# Altium PCB TS_24 UCM R1.PcbDoc (continued)
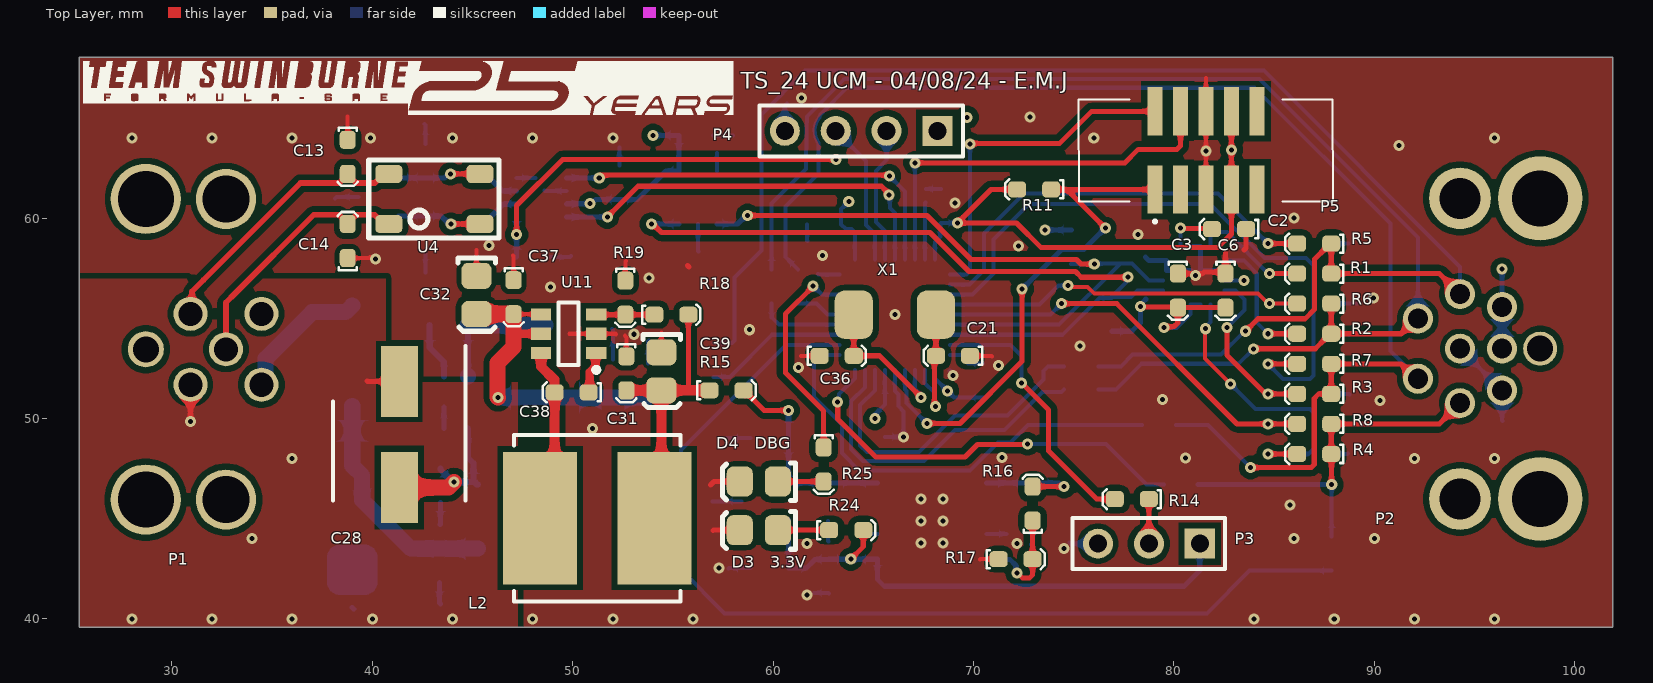
[diagram p0: Top Layer view]
## Part data
C1 C2 C3 C4 C5 C6 C7 C17 C18 C19 C20 C22 C25 C26 C27 C31 C35 C37 C38 C40 C41: library part GCM188L81H104KA57D, Digikey Part Number=490-6049-1-ND, Manufacturer=muRata, Rated Voltage=50V, Temperature Rating=X8L, Tolerance=±10%, Material=MLCC, Part Number=GCM188L81H104KA57D
C8 C9 C10 C11: library part GCM188L81H103KA03D, Digikey Part Number=490-GCM188L81H103KA03DCT-ND, Manufacturer=muRata, Rated Voltage=50V, Temperature Rating=X8L, Tolerance=±10%, Material=MLCC, Part Number=GCM188L81H103KA03D
C13 C14 C15 C16: library part GRM1885C1H101JA01D, Digikey Part Number=490-1427-1-ND, Manufacturer="Murata Electronics", Rated Voltage=50V, Temperature Rating="C0G, NP0", Tolerance=±5%, Material=MLCC, Part Number=GRM1885C1H101JA01D
C21 C36: library part GRM0335C1H220JA01D, Digikey Part Number=490-6123-1-ND, Manufacturer="Murata Electronics", Rated Voltage=50V, Temperature Rating="C0G, NP0", Tolerance=±5%, Material=MLCC, Part Number=GRM0335C1H220JA01D
C23 C24 C30 C32 C34 C39: library part GRM21BR6YA106KE43L, Digikey Part Number=490-10514-6-ND, Manufacturer=muRata, Rated Voltage=50V, Temperature Rating=X5R, Tolerance=10%, Material=MLCC, Part Number=GRM21BR6YA106KE43L
C28: library part HHXA350ARA470MF61G, Part Number=HHXA350ARA470MF61G
C29 C33: library part GCM21BR71H105KA03L, Digikey Part Number=490-10675-1-ND, Manufacturer=muRata, Rated Voltage=50V, Temperature Rating=X7R, Tolerance=±10%, Material=MLCC, Part Number=GCM21BR71H105KA03L
D1: Breakdown Voltage="100 V", Digikey Part Number=1727-PMEG100T10ELR-QXCT-ND, Forward Voltage="0.75 V @ 1A", Manufacturer="Nexperia USA Inc.", Rated Power="680 mW", Part Number=PMEG100T10ELR-QX
D2: Breakdown Voltage="30.8 V", Digikey Part Number=497-10804-1-ND, Manufacturer=STMicroelectronics, Rated Power=600W, Forward Voltage="30.8 V", Part Number=SM6T36CAY
D3: library part SML-210LTT86, "Red LED Indication - Discrete 1.75V 0805 (2012 Metric)", Digikey Part Number=511-1286-1-ND, Manufacturer="ROHM Semiconductor", Colour=Red, Part Number=SML-210LTT86
D4: library part SML-211YTT86, "Yellow LED Indication - Discrete 1.75V 0805 (2012 Metric)", Digikey Part Number=511-1293-1-ND, Manufacturer="ROHM Semiconductor", Colour=Yellow, Part Number=SML-211YTT86
F1: "PTC RESET FUSE 60V 200MA 1812", Digikey Part Number=507-1757-1-ND, Manufacturer="Bel Fuse Inc.", Part Number=0ZCG0020AF2C
L1: library part RLS-126, Digikey Part Number=945-3429-ND, Manufacturer=Recom, Rated Current="0.8 A", Tolerance=0.2, Impedance=230mOhm, Material=Wirewound, Part Number=RLS-126
L2: library part SRN8040TA-470M, Digikey Part Number=SRN8040TA-470MCT-ND, Manufacturer=Bourns, Rated Current=2A, Tolerance=0.2, Impedance=135mOhms, Material=Wirewound, Part Number=SRN8040TA-470M
P1: library part 43-01203, "M12 NMEA 2000 Header", Digikey Part Number=626-1511-ND, Angle=90, Contact=Gold, Flange=Yes, Part Number=43-01203, Positions=5
P2: "M12, 8 Pin Connector", Angle=90, Contact="Copper Alloy", Flange=Yes, Part Number=43-02639, Positions=8
P3: library part "TH 2.54mm Header 1x3", Angle=0, Contact=NA, Flange=No, Part Number="TH 2.54mm Header 1x3", Pitch=2.54mm, Positions=3, Row Spacing=2.54mm
P4: library part "TH 2.54mm Header 1x4", Angle=0, Contact=NA, Flange=No, Part Number="TH 2.54mm Header 1x4", Pitch=2.54mm, Positions=4, Row Spacing=2.54mm
P5: library part "SMD 1.27mm Header 2x5 (3221-10-0300-00)", Angle=0, Contact=NA, Flange=No, Part Number="SMD 1.27mm Header 2x5 (3221-10-0300-00)", Pitch=1.27mm, Positions=10, Row Spacing=1.27mm
R1 R2 R3 R4: library part RC0603FR-07510RL, Digikey Part Number=311-510HRCT-ND, Manufacturer=YAGEO, Rated Power=0.1W, Tolerance=0.01, Material=FR-07, Part Number=RC0603FR-07510RL
R5 R6 R7 R8 R11 R14 R16 R19 R20 R21 R22 R23: library part RC0603FR-0710KL, Digikey Part Number=311-10.0KHRCT-ND, Manufacturer=YAGEO, Rated Power=0.1W, Tolerance=0.01, Material=FR-07, Part Number=RC0603FR-0710KL
R9 R10 R24 R25 R26 R27: library part RC0603FR-071KL, Digikey Part Number=311-1.00KHRCT-ND, Manufacturer=YAGEO, Rated Power=0.1W, Tolerance=0.01, Material=FR-07, Part Number=RC0603FR-071KL
R12 R13: library part RC0603FR-072KL, Digikey Part Number=311-2.00KHRCT-ND, Manufacturer=YAGEO, Rated Power=0.1W, Tolerance=0.01, Material=FR-07, Part Number=RC0603FR-072KL
R15: library part RC0603JR-070RL, Digikey Part Number=311-0.0GRCT-ND, Manufacturer=YAGEO, Rated Power=0.1W, Tolerance=0.01, Material=FR-07, Part Number=RC0603JR-070RL
R17: library part RC0603FR-0720KL, Digikey Part Number=311-20.0KHRCT-ND, Manufacturer=YAGEO, Rated Power=0.1W, Tolerance=0.01, Material=FR-07, Part Number=RC0603FR-0720KL
R18: library part RC0603JR-0751KL, Digikey Part Number=311-51KGRCT-ND, Manufacturer=YAGEO, Rated Power=0.1W, Tolerance=0.01, Material=FR-07, Part Number=RC0603JR-0751KL
U1: "IC ADC 24BIT SIGMA-DELTA 16WQFN", Digikey Part Number=296-50886-1-ND, Manufacturer="Texas Instruments", Complex IC=1, Digikey Link=https://www.digikey.com.au/en/products/detail/texas-instruments/ADS122C04IRTER/9665929, Part Number=ADS122C04IRTER
U3: "IC TRANSCEIVER HALF 1/1 TSOT23-8", Digikey Part Number=296-TCAN1044AVDDFRQ1CT-ND, Manufacturer="Texas Instruments", Complex IC=0, Part Number=TCAN1044AVDDFRQ1
U4: Digikey Part Number=495-4598-1-ND, Manufacturer="EPCOS (TDK)", Rated Current=150mA, Impedance="5.8 kOhms @ 10MHz", Material=Wirewound, Part Number=B82787C0104H002
U5: "Dual Line CAN Bus Protector", Digikey Part Number=NUP2105LT1GOSCT-ND, Manufacturer="ON Semiconductor", Digikey Link=https://www.digikey.com/product-detail/en/on-semiconductor/NUP2105LT1G/NUP2105LT1GOSCT-ND/1485001, Part Number=NUP2105L
U6: "ARM® Cortex®-M3 STM32F1 Microcontroller IC 32-Bit 72MHz 64KB (64K x 8) FLASH QFN", Manufacturer="ST Microelectronics", Complex IC=1, Digikey Link=https://www.digikey.com/en/products/detail/stmicroelectronics/stm32f103t8u6/1852493, Digikey Part Number=STM32F103T8U6, Part Number=STM32F103T8U6
U7: "IC EEPROM 16KBIT I2C SOT23-5", Digikey Part Number=150-24FC16T-E/OTCT-ND, Manufacturer="Microchip Technology", Complex IC=0, Part Number=24FC16T-E/OT
U8: Digikey Part Number=445-8637-1-ND, Manufacturer="TDK Corporation", Rated Current="1.5 A", Tolerance=0.25, Impedance="1 kOhms @ 100MHz", Material=Wirewound, Part Number=ACP3225-102-2P-T000
U9: "IC REG LIN POS ADJ 300MA 8SO", Digikey Part Number=296-43781-1-ND, Input Voltage=40V, Manufacturer="Texas Instruments", Output Current="300 mA", Output Voltage=Variable, Part Number=TPS7B4253-Q1
U10: library part AP7375-33SA-7, "IC REG LIN 3.3V 300MA SOT23-3", Digikey Part Number=31-AP7375-33SA-7CT-ND, Input Voltage="3V - 45V", Manufacturer="Diodes Incorporated", Output Current="300 mA", Output Voltage="3.3 V", Part Number=AP7375-33SA-7
U11: "IC REG BUCK ADJ 1A SOT23-6", Digikey Part Number=296-LMR50410YQDBVRQ1CT-ND, Input Voltage="4V to 36V", Manufacturer="Texas Instruments", Output Current="1.0 A", Output Voltage=Variable, Part Number=LMR50410YQDBVRQ1
X1: library part ECS-80-18-30-JGN-TR, Digikey Part Number=XC2103CT-ND, Load Capacitance=18pF, Manufacturer="ECS Inc", Digikey Link=https://www.digikey.com/en/products/detail/ecs-inc/ECS-80-18-30-JGN-TR/5875530, ESR=100R, Part Number=ECS-80-18-30-JGN-TR

## Via types
v1: diameter 0.55, hole 0.25, Top Layer to Bottom Layer, 128 vias

## Nets (pads, with @x,y where several pads share a name; then routed paths per layer and width w, separated by ;. In a path a pad name is that pad's centre, name@x,y a point inside that pad or via, vN(x,y) a via of type N, cw(c..) or ccw(c..) an arc to the next point about the centre after c; other vN are vias at no path point)
3.3V: C17.2 C18.2 C19.2 C20.2 C30.2 C35.2 C41.2 P3.1 P4.1 P5.7 P5.8 R11.2 R24.2 U3.5 U6.1 U6.6 U6.19 U6.27 U9.5 U10.2 | length 86.4
  Top Layer w0.254: v1(47.2,59.175) 47.2,60.625 49.5,62.925 v1(63.15,62.925) ; v1(63.875,42.975) 64.5,43.6 R24.2 ; v1(69.196,59.75) v1@69.2,59.75 ; R11.2 70.875,61.425 v1@69.2,59.75 ; P5.8 v1(82.87,63.4) 82.87,59.202 82.187,58.519 73.381,58.519 72.15,59.75 v1@69.2,59.75
  Int1 (PWR) w0.254: P4.1 69.425,64.35 69.675,64.6 v1(69.675,65.025)
  Bottom Layer w0.2: v1(63.775,60.825) 63.4,60.45 C20.2 63.628,59.447 63.917,59.447 64.075,59.289 U6.19 ; v1(65.082,49.993) 65.139,50.049 65.139,50.249 65.575,50.685 U6.6 ; U6.1 68.075,52.004 68.236,51.843 68.236,51.839 v1(68.7,51.375) 69.039,51.036 C18.2@70.461,51.036 ; U6.27 68.075,58.8 68.343,59.068 68.343,59.718 C19.2 v1(69.196,59.75)
  Bottom Layer w0.254: C41.2 v1(47.2,59.175) U3.5 ; U10.2 C30.2 61.655,42.526 62.093,42.965 C35.2@62.8,42.965 ; C35.2@62.802,42.972 C35.2 v1(63.875,42.975) 63.877,42.972 65.198,42.972 U9.5 65.2,41.975 65.55,41.625 80.5,41.625 81.29,42.415 P3.1
5V: C2.2 C3.2 C6.2 C22.2 C34.2 C40.2 P2.4 P2.5 R12.2 R13.2 R16.2 U1.1 U1.7 U1.10 U1.11 U3.3 U7.4 U9.1 | length 34.9
  Top Layer w0.254: R16.2 v1(74.525,46.6) ; v1(78.325,55.596) 78.359,55.562 80.163,55.562 C3.2 ; v1(79.5,54.525) 79.557,54.582 80.007,54.582 80.2,54.775 C3.2 ; v1@80.364,59.504 80.391,59.477 81.873,59.477 C2.2 ; C6.2@82.538,55.562 82.519,55.544 80.219,55.544 C3.2
  Bottom Layer w0.2: v1(79.5,54.525) 79.525,54.5 80.125,54.5 80.825,55.2 U1.11 U1.10 ; U1.1 v1(80.325,59.504) ; U1.7 v1(83.504,56.875)
  Bottom Layer w0.254: U3.3 49.712,60.712 50.862,60.712 v1(50.875,60.725) 50.955,60.725 51.155,60.925 C40.2 53.225,60.925 54.65,62.35 U7.4 C22.2 v1(54.012,64.125) ; U9.1 C34.2 74.251,46.78 74.431,46.6 v1(74.525,46.6) ; v1(73.575,59.4) R13.2 ; R12.2 77.9,54.35 78.325,54.775 78.325,55.674 78.596,55.945 ; P2.5 P2.4 v1(96.375,57.45)
AIN-0: C7.2 R4.2 U1.9 | length 15
  Top Layer w0.2: v1(81.575,54.475) 81.55,54.45 81.55,53 v1(82.825,51.725)
  Top Layer w0.254: v1(84.7,48.225) R4.2
  Bottom Layer w0.2: v1(81.575,54.475) 81.575,54.57 81.825,54.82 U1.9 ; v1(82.825,51.725) 84.075,50.475 86.8,50.475 87,50.275 87,48.499 86.726,48.225 C7.2 v1(84.7,48.225)
AIN-1: C5.2 R3.2 U1.8 | length 10.1
  Top Layer w0.254: v1(82.65,54.546) 82.65,53.157 84.525,51.282 84.643,51.282 v1(84.7,51.225) R3.2
  Bottom Layer w0.2: U1.8 82.527,56.373 83.078,56.373 83.525,55.926 83.525,55.421 v1(82.65,54.546) ; v1(84.7,51.225) C5.2
AIN-2: C4.2 R2.2 U1.5 | length 8
  Top Layer w0.254: v1(84.7,54.225) R2.2
  Bottom Layer w0.2: U1.5 83.494,57.875 84.133,57.236 84.133,54.792 v1(84.7,54.225) C4.2
AIN-3: C1.2 R1.2 U1.4 | length 7.2
  Top Layer w0.254: v1(84.762,57.225) R1.2
  Bottom Layer w0.2: U1.4 81.825,59.183 81.942,59.3 82.639,59.3 84.7,57.239 84.7,57.225 C1.2
BOOT0: P3.2 R14.1 | length 2.2
  Top Layer w0.254: P3.2 R14.1
CAN2_N: C14.2 P1.5 U4.2 | length 12.8
  Top Layer w0.285: P1.5 32.7,55.783 33.164,56.248 37.074,60.157 38.351,60.157 C14.2@38.775,59.733 ; C14.2 C14.2@38.775,59.733 ; U4.2 40.583,59.7 40.126,60.157 39.199,60.157 C14.2@38.775,59.733
CAN2_P: C13.2 P1.4 U4.1 | length 13.8
  Top Layer w0.285: P1.4 31.006,55.296 31.006,56.331 31.579,56.904 36.417,61.742 38.351,61.742 38.575,61.967 C13.2 ; C13.2@38.775,62.167 39.199,61.742 40.126,61.742 40.583,62.2 U4.1
GLV+: F1.1 P1.2 | length 6.8
  Bottom Layer w0.8: P1.2 34.681,51.891 34.681,52.981 37,55.3 38.675,55.3 F1.1
GLV-: C26.1 C27.1 C28.1 D2.A P1.3 U8.2 | length 6.8
  Top Layer w0.254: v1(30.93,49.85) P1.3 ; 39.75,51.875 39.775,51.85 C28.1
  Bottom Layer w0.254: 39,40.575 39.075,40.5 ; C26.1 43.35,40.8 43.4,40.75 ; 43.375,44.7 43.4,44.725 C27.1 ; U8.2 43.575,50.575
  other v1: 28,40 32,40 36,40 40,40 44,40 34,44 36,48
GND: C1.1 C2.1 C3.1 C4.1 C5.1 C6.1 C7.1 C8.1 C9.1 C10.1 C11.1 C13.1 C14.1 C15.1 C16.1 C17.1 C18.1 C19.1 C20.1 C21.1 C22.1 C23.1 C24.1 C25.1 C29.1 C30.1 C31.1 C32.1 C33.1 C34.1 C35.1 C36.1 C37.1 C39.1 C40.1 C41.1 D3.K D4.K P2.6 P2.8 P3.3 P4.4 P5.5 P5.6 R17.1 R19.1 U1.2 U1.3 U1.6 U1.15 U1.16 U3.2 U3.8 U5.3 U6.5 U6.18 U6.26 U6.36 U7.2 U7.5 U8.3 U9.3 U9.6 U10.3 U11.2 | length 84.6
  Top Layer w0.2: C14.1 39.825,58 39.875,58.05 ; C13.1 38.775,65.075 ; C32.1 45.199,58.399 45.2,58.4 ; 47.025,58.125 47.05,58.1 C37.1 ; 49.85,54.225 U11.2 52.125,54.225 52.15,54.2 ; 52.6,54.125 52.675,54.05 C31.1 ; R19.1 52.625,57.825 52.65,57.85 ; C39.1 54.425,54.275 ; 61.4,53.125 C36.1 ; C21.1 70.9,53.125 70.925,53.1 ; 70.325,42.95 70.35,42.975 R17.1 ; P5.5 v1(81.6,63.35) P5.6 81.6,66.975
  Top Layer w0.254: 55.725,57.625 55.799,57.551 ; 56.875,46.675 57.051,46.851 D4.K ; 57,44.4 57.026,44.426 D3.K ; C3.1 81.425,57.225 81.5,57.3 82.575,57.3 82.575,58.25 82.57,58.255 ; 83.5,58.4 83.6,58.5 C2.1
  Bottom Layer w0.2: 38.15,60.975 38.225,61.05 U5.3 ; 42.6,64.7 42.65,64.65 C15.1 ; 42.65,57.275 C16.1 ; U3.8 48.15,62 ; 48.6,61.375 48.625,61.35 U3.2 ; C41.1 49.875,58.05 49.925,58.1 ; 51.95,54.45 52,54.4 C24.1 ; C40.1 52.325,63.525 ; C25.1 53.75,53.85 53.8,53.9 ; U7.2 56.25,58.35 56.275,58.325 ; 56.975,45.85 56.99,45.865 U10.3 ; C22.1 58,64.125 ; U7.5 57.2,63.25 ; 57.65,49 57.676,49.026 C29.1 ; 57.775,42.5 57.801,42.526 C30.1 ; P4.4 60.585,65.61 60.7,65.725 ; C20.1 61.7,58.875 61.725,58.85 ; 62.05,41.3 62.775,41.3 C35.1 ; 62.25,57.2 62.275,57.175 U6.18@63.325,57.175 ; C33.1 62.746,43.879 62.775,43.85 ; 64.21,44.24 U9.6 ; C17.1 v1(66.5,49.075) 66.5,50.355 66.247,50.608 66.247,51.193 66.075,51.365 U6.5 ; U6.26 67.575,60.75 67.6,60.775 ; 67.625,61.45 C19.1 ; U6.36 69.699,53.175 69.725,53.149 69.725,52.75 C18.1 ; U9.3@70.65,44.24 71.64,44.24 ; 72.875,43.7 72.949,43.774 C34.1 ; 74.8,43.8 74.85,43.75 P3.3 ; C7.1 88.65,48.225 88.675,48.25 ; C11.1 88.675,49.725 88.7,49.75 ; C5.1 88.725,51.225 88.75,51.2 ; C10.1 88.775,52.725 ; C4.1 88.675,54.225 88.725,54.175 ; C9.1 89.13,55.73 89.175,55.775 ; C1.1 88.7,57.225 ; C8.1 88.7,58.725 ; P2.8 94.285,53.48 96.365,51.4 P2.6 96.375,49.9 96.4,49.875
  Bottom Layer w0.254: 68.825,52.362 68.977,52.21 v1(68.977,52.13) ; 78.575,58.05 78.75,57.875 U1.16 U1.15 80.825,57.375 v1(81.075,57.125) U1.2@81.325,57.375 ; U1.2@80.825,58.575 U1.3 U1.2@81.325,57.375 ; U1.6 U1.2@81.325,57.375
  Bottom Layer w0.3: C23.1 42.863,53.532 43.57,52.825 43.57,52.105 U8.3
  other v1: 48,40 52,40 56,40 84,40 88,40 92,40 96,40 61.7,41.2 57.3,42.525 74.525,43.5 72.175,43.75 61.7,43.77 67.375,43.775 68.475,43.775 86,44 90,44 67.375,44.875 68.475,44.875 85.8,45.675 67.375,45.975 68.475,45.975 92,48 96,48 71.425,48.044 80.575,48.025 51,49.5 90.275,50.9 79.425,50.95 61.275,52.55 71.25,52.65 75.325,53.625 53.05,54.2 58.825,54.425 66.075,55.175 89.95,56 48.9,56.55 53.8,57 40.15,57.95 62.475,58.125 72.25,58.6 45.825,58.625 78.2,59.175 86,60 69.075,60.75 91.225,63.625 28,64 32,64 36,64 39.9,64 44,64 48,64 52,64 76,64 96,64 72.825,65.05 61.425,66
IO-1: P2.3 R1.1 R5.1 R20.1 R27.1 | length 78.1
  Top Layer w0.254: v1(83.575,54.35) 84.2,54.975 86.55,54.975 87.019,55.444 87.019,57.944 87.8,58.725 R5.1 R1.1 93.25,57.225 P2.3
  Bottom Layer w0.2: R20.1 57.958,53.775 58.075,53.892 58.075,57.025 59.425,58.375 59.425,65.175 61.6,67.35 84.483,67.35 94.275,57.558 P2.3 ; R27.1 77.35,52.6 77.932,53.182 82.348,53.182 83.516,54.35 v1(83.575,54.35)
IO-2: P2.2 R2.1 R6.1 R9.1 R21.1 | length 65.8
  Top Layer w0.254: v1(83.975,53.475) 87.05,53.475 87.8,54.225 R2.1 ; R6.1 R2.1 ; P2.2 92.086,54.98 91.331,54.225 R2.1
  Bottom Layer w0.2: R21.1 59.925,60.725 61.643,62.443 61.672,64.371 61.682,65.057 63.55,66.925 84.275,66.925 92.175,59.025 P2.2 ; R9.1 77.104,51.45 78.382,52.728 83.228,52.728 v1(83.975,53.475)
IO-3: P2.1 R3.1 R7.1 R10.1 R22.1 | length 67.1
  Top Layer w0.254: v1(83.825,47.55) 83.827,47.548 85.699,47.548 85.701,47.546 86.599,47.546 86.601,47.548 86.851,47.548 87,47.697 87,51 87.225,51.225 R3.1 R7.1 91.321,52.725 92.066,51.98 P2.1
  Bottom Layer w0.2: R22.1 60.625,58.05 60.625,60.575 62.275,62.225 62.275,63.734 cw(c63.125,64.35) 62.226,64.893 62.305,65.024 cw(c62.859,64.838) 62.442,65.247 63.695,66.5 84.025,66.5 90.8,59.725 90.8,53.355 P2.1 ; R10.1 81.7,49.675 v1(83.825,47.55)
IO-4: P2.7 R4.1 R8.1 R23.1 R26.1 | length 19.2
  Top Layer w0.254: v1(87.875,46.7) 87.863,46.712 87.863,48.212 R4.1 R8.1 93.24,49.725 P2.7
  Bottom Layer w0.2: R23.1 v1(87.875,46.7)
  Bottom Layer w0.254: R26.1 v1(87.875,46.7)
NetC8_2: C8.2 R5.2 U6.29 | length 22.8
  Top Layer w0.254: v1@84.7,58.75 v1(84.7,58.725) R5.2
  Bottom Layer w0.2: U6.29 69.797,56.675 70.525,57.403 70.525,59.225 72.525,61.225 82.2,61.225 v1(84.7,58.725) C8.2
NetC9_2: C9.2 R6.2 U6.31 | length 19.5
  Top Layer w0.2: v1(74.725,56.625) 74.782,56.568 75.682,56.568 76.025,56.225 79.81,56.225 79.813,56.227 82.962,56.227 82.965,56.225 84.205,56.225 84.7,55.73 R6.2
  Bottom Layer w0.2: U6.31 73.3,55.675 74.25,56.625 v1(74.725,56.625) ; v1(84.762,55.73) C9.2
NetC10_2: C10.2 R7.2 U6.30 | length 33.3
  Top Layer w0.254: v1(84.7,52.725) R7.2
  Bottom Layer w0.2: U6.30 69.943,56.175 71,57.232 71,58.925 72.775,60.7 81.809,60.7 84.509,58 86.6,58 86.975,57.625 86.975,52.15 86.8,51.975 85.45,51.975 v1(84.7,52.725) C10.2
NetC11_2: C11.2 R8.2 U6.32 | length 21.5
  Top Layer w0.254: v1(74.399,55.726) 74.4,55.725 77.15,55.725 83.15,49.725 v1(84.7,49.725) R8.2
  Bottom Layer w0.2: U6.32 73.847,55.175 v1(74.399,55.726) ; v1(84.7,49.725) C11.2
NetC15_2: C15.2 U3.7 U4.4 U5.1 | length 7.8
  Top Layer w0.254: v1(43.9,62.2) U4.4
  Bottom Layer w0.254: U5.1 C15.2 43.606,62 43.806,62.2 v1(43.9,62.2) 45.65,62.2 46.5,61.35 U3.7
NetC16_2: C16.2 U3.6 U4.3 U5.2 | length 7.9
  Top Layer w0.254: v1(43.925,59.7) U4.3
  Bottom Layer w0.254: U5.2 C16.2 43.431,60.1 43.831,59.7 v1(43.925,59.7) 45.55,59.7 46.55,60.7 U3.6
NetC21_2: C21.2 U6.2 X1.1 | length 6.7
  Top Layer w0.254: v1(68.1,50.589) 68.044,50.645 68.044,53.044 C21.2 X1.1
  Bottom Layer w0.2: U6.2 67.577,52.423 67.577,51.751 68.044,51.284 68.044,50.645 v1(68.1,50.589)
NetC23_2: C23.2 L1.2 U8.4 | length 6.4
  Bottom Layer w0.3: U8.4@44.769,52.106 C23.2@44.769,54.645
  Bottom Layer w0.8: U8.4@44.769,52.106 U8.4 ; C23.2@44.769,54.645 C23.2 L1.2
NetC26_2: C26.2 D1.A D2.K F1.2 | length 11.7
  Bottom Layer w0.8: F1.2 D2.K 39.498,47.152 39.498,45.927 41.925,43.5 C26.2 D1.A
NetC27_2: C27.2 C28.2 D1.K U8.1 | length 8.1
  Top Layer w0.8: C28.2 43.8,46.55 v1(44.075,46.825)
  Bottom Layer w0.3: C27.2 43.4,47.45 44.025,46.825 v1(44.075,46.825) 45.15,46.825 D1.K 45.2,46.7 45.05,46.85 45.05,47.77 44.775,48.045 U8.1
NetC31_2: C31.2 C39.2 L2.1 R15.1 R18.2 | length 14.4
  Top Layer w0.254: 55.775,51.4 R18.2
  Top Layer w0.5: C31.2 C39.2 ; L2.1 54.425,45.375 C39.2 ; R15.1 55.775,51.4 C39.2
NetC36_2: C36.2 U6.3 X1.2 | length 7.8
  Top Layer w0.254: X1.2 C36.2 65.313,53.125 v1(67.388,51.05)
  Bottom Layer w0.2: U6.3 67.075,51.458 67.388,51.145 v1(67.388,51.05)
NetC38_1: C38.1 U11.1 | length 2.2
  Top Layer w0.4: C38.1 50.85,51.3 50.85,52.321 51.138,52.609 51.138,53.238 U11.1
NetC38_2: C38.2 L2.2 U11.6 | length 8.8
  Top Layer w0.5: L2.2 49.1,45.75 C38.2 49.082,51.318 49.082,51.932 48.425,52.59 U11.6
NetD3_A: D3.A R24.1 | length 2.6
  Top Layer w0.254: D3.A R24.1
NetD4_A: D4.A R25.2 | length 1.7
  Top Layer w0.254: D4.A@60.862,46.851 R25.2
NetR9_2: R9.2 U6.8 | length 16.6
  Bottom Layer w0.2: U6.8 64.575,51.55 63.887,50.861 63.887,48.465 64.484,47.868 67.518,47.868 69.075,49.425 71.55,49.425 73.45,51.325 74.4,51.325 R9.2
NetR10_2: R10.2 U6.10 | length 22.8
  Bottom Layer w0.2: U6.10 62.35,53.175 62.05,52.875 62.05,51.072 63.43,49.693 63.43,48.276 64.295,47.411 68.766,47.411 69.836,47.411 71.225,48.8 71.847,48.8 72.722,49.675 76.925,49.675 R10.2
NetR14_2: R14.2 U6.35 | length 13.4
  Top Layer w0.254: v1(72.4,51.775) 73.75,50.425 73.75,48.375 76.15,45.975 R14.2
  Bottom Layer w0.2: U6.35 71.85,53.675 72.4,53.125 v1(72.4,51.775)
NetR16_1: R16.1 R17.2 U9.4 | length 5.6
  Top Layer w0.254: v1(72.175,42.281) 72.199,42.281 72.435,42.045 72.801,42.045 72.95,42.194 R16.1
  Bottom Layer w0.254: U9.4 71.813,42.97 72.118,42.664 72.118,42.338 v1(72.175,42.281)
NetR18_1: R18.1 R19.2 U11.3 | length 2.9
  Top Layer w0.254: U11.3 R19.2 R18.1
NetR20_2: R20.2 U6.12 | length 7.2
  Bottom Layer w0.2: R20.2 57.85,52.075 59.95,54.175 U6.12
NetR21_2: R21.2 U6.13 | length 4.2
  Bottom Layer w0.2: R21.2 59.932,55.718 59.932,55.043 60.3,54.675 U6.13
NetR22_2: R22.2 U6.14 | length 2.3
  Bottom Layer w0.2: R22.2 62.175,55.725 62.723,55.177 63.323,55.177 U6.14
NetR23_2: R23.2 U6.11 | length 50.3
  Bottom Layer w0.2: U6.11 60.65,53.675 55.4,48.425 55.4,42.45 57.575,40.275 81.65,40.275 83.775,42.4 R23.2
NetR25_1: R25.1 U6.16 | length 10.9
  Top Layer w0.254: v1(62,56.6) 60.619,55.219 60.619,52.278 62.525,50.372 R25.1 ; R25.1@62.525,48.537 R25.1@62.525,48.55
  Bottom Layer w0.2: v1(62,56.6) 62.013,56.6 62.438,56.175 U6.16
NetR26_2: R26.2 U6.9 | length 21
  Top Layer w0.254: v1(63.225,50.825) 63.225,49.975 65.125,48.075 69.575,48.075 70.2,48.7 72.675,48.7 v1(72.7,48.725)
  Bottom Layer w0.2: v1(63.225,50.825) 63.282,50.882 63.282,51.211 64.075,52.004 U6.9 ; v1(72.7,48.725) 76.6,48.725 78.625,46.7 R26.2
NetR27_2: R27.2 U6.7 | length 16.4
  Bottom Layer w0.2: U6.7 65.075,51.403 64.344,50.672 64.344,48.655 64.674,48.325 67.273,48.325 69.085,50.137 71.687,50.137 73.491,51.941 73.491,52.366 73.725,52.6 R27.2
NetU3_1: U3.1 U6.24 | length 20.6
  Top Layer w0.254: v1@51.363,62.137 65.777,62.137 v1(65.806,62.108)
  Bottom Layer w0.2: v1(65.806,62.108) 65.806,62.094 66.575,61.325 U6.24
  Bottom Layer w0.254: U3.1 v1(51.325,62)
NetU3_4: U3.4 U6.23 | length 20.3
  Top Layer w0.254: v1(51.725,60.05) 53.26,61.585 65.41,61.585 65.781,61.214 v1(65.781,61.15)
  Bottom Layer w0.2: v1(65.781,61.15) 65.831,61.1 65.831,60.494 66.075,60.25 U6.23
  Bottom Layer w0.254: U3.4 v1(51.725,60.05)
NRST: P5.1 R11.1 U6.4 | length 26.1
  Top Layer w0.254: v1(67.675,49.75) 69.325,49.75 72.425,52.85 v1(72.425,56.45) ; R11.1 74.65,61.425 ; v1(76.575,59.5) 74.65,61.425 ; P5.1 74.65,61.425
  Bottom Layer w0.2: U6.4 66.575,51.435 66.65,51.36 66.65,50.775 v1(67.675,49.75)
  Bottom Layer w0.254: v1(72.425,56.45) 74.404,58.429 75.504,58.429 v1(76.575,59.5)
SCL: R13.1 U1.14 U6.33 U7.1 | length 34.7
  Top Layer w0.254: v1(58.725,60.125) 67.675,60.125 69.875,57.925 75.138,57.925 75.363,57.7 v1(76.025,57.7)
  Bottom Layer w0.2: U6.33 74.275,54.675 77.325,57.725 ; R13.1 v1(76.025,57.7) 76.05,57.725 77.325,57.725 ; U1.14@79.45,56.875 79.44,56.885 78.755,56.885 77.915,57.725 77.325,57.725
  Bottom Layer w0.254: U7.1 58.222,59.7 58.647,60.125 v1(58.725,60.125)
SDA: R12.1 U1.13 U6.34 U7.3 | length 39.2
  Top Layer w0.254: v1(53.925,59.7) 54.003,59.7 54.428,59.275 67.825,59.275 69.775,57.325 75.091,57.325 75.372,57.044 77.694,57.044 v1(77.7,57.05)
  Bottom Layer w0.2: U6.34 74.45,54.175 76.293,56.018 R12.1@76.893,56.018 ; R12.1@76.9,56.075 77.643,56.818 77.643,56.993 v1(77.7,57.05) v1@77.767,56.983 ; R12.1 77.85,56.05 78.175,56.375 79.45,56.375 U1.13@79.44,56.385
  Bottom Layer w0.254: v1(53.925,59.7) U7.3
SWCLK: P5.2 U6.28 | length 17.3
  Top Layer w0.254: v1(69.825,63.7) 69.85,63.725 74.3,63.725 75.9,65.325 P5.2
  Bottom Layer w0.2: U6.28 69.65,57.175 69.825,57.35 v1(69.825,63.7)
SWDIO: P5.4 U6.25 | length 20.2
  Top Layer w0.254: v1(67.075,62.75) 77.55,62.75 78.225,63.425 80.15,63.425 80.33,63.605 P5.4
  Bottom Layer w0.2: U6.25 v1(67.075,62.75)
UART-RX: P4.2 U6.22 | length 6.8
  Bottom Layer w0.2: U6.22 65.575,59.35 65.125,59.8 65.125,62.355 65.665,62.895 P4.2
UART-TX: P4.3 U6.21 | length 7.2
  Bottom Layer w0.2: P4.3 64.625,62.85 64.625,59.65 65.075,59.2 U6.21
VBAT-F: C24.2 C25.2 C32.2 C37.2 L1.1 U11.4 U11.5 | length 16.4
  Top Layer w0.2: C37.2 48.4,55.2 U11.4
  Top Layer w0.4: 47.206,54.225 U11.5
  Top Layer w0.8: C32.2 45.205,55.206 47.044,55.206 C37.2 47.05,53.575 46.25,52.775 46.25,51.076 v1(46.275,51.051)
  Bottom Layer w0.8: v1(46.275,51.051) L1.1 C24.2 C25.2
VREG: C29.2 C33.2 R15.2 U9.8 U10.1 | length 10.7
  Top Layer w0.254: R15.2@58.531,51.425 59.556,50.4 v1(60.771,50.4)
  Bottom Layer w0.254: v1(60.771,50.4) C29.2 U10.1 C33.2 U9.8
pads on no net: P1.1 P1.15 P2.MH1 P2.MH2 P2.MH3 P2.MH4 P2.MH5 P5.3 P5.9 P5.10 U1.12 U6.15 U6.17 U6.20 U9.2 U9.7

## Polygon pours and split planes (outlines as drawn)
5V on Int1 (PWR) "5V polygon" (solid, remove dead copper, pour order 14): 25.375,68.025 101.9,68.025 101.9,39.575 25.375,39.575
no net on Int1 (PWR) "1.67V polygon" (solid, remove dead copper, pour order 11): 73.875,53.25 73.875,47.625 80.125,47.625 80.125,53.25
GND on Int1 (PWR) "GND polygon" (solid, remove dead copper, pour order 13): 46.55,68.025 46.55,58.35 62.175,58.35 62.175,40.975 65.525,40.975 65.525,49.95 70,49.95 70,39.575 25.375,39.575 25.375,68.025
3.3V on Int1 (PWR) "3.3V polygon" (solid, remove dead copper, pour order 7): 62.175,65.55 62.175,60.075 46.55,60.075 46.55,58.35 62.175,58.35 62.175,40.975 65.525,40.975 65.525,49.95 70,49.95 70,65.55
GND on Int2 (GND) "GND_L03_P008" (solid, remove dead copper, pour order 8): 25.375,68.025 101.9,68.025 101.9,39.575 25.375,39.575
GLV- on Int2 (GND) "GLV-_L03_P004" (solid, remove dead copper, pour order 4): 25.375,39.575 47.25,39.575 47.25,51.8 40.675,51.8 40.675,56.975 25.375,56.975
GND on Top Layer "GND_L01_P010" (solid, remove dead copper, pour order 10): 25.375,68.025 101.9,68.025 101.9,39.575 25.375,39.575
GLV- on Top Layer "GLV-_BL" (solid, remove dead copper, pour order 9): 25.375,39.575 47.25,39.575 47.25,51.8 40.675,51.8 40.675,56.975 25.375,56.975
GND on Bottom Layer "GND_L04_P001" (solid, remove dead copper, pour order 1): 25.375,68.025 101.9,68.025 101.9,39.575 25.375,39.575
GLV- on Bottom Layer "GLV-_BL" (solid, remove dead copper, pour order 0): 25.375,39.575 47.25,39.575 47.25,51.8 40.675,51.8 40.675,56.975 25.375,56.975

## Silkscreen, mask and mechanical layers (free items; w line width, h text height)
Top Overlay:
  drawing of 7 lines, arcs and shapes, not listed
  text "TS_24 UCM - 04/08/24 - E.M.J" at 58.375,66.175 h1.4
  text "DBG" at 59.075,48.275 h1
  text "3.3V" at 59.85,42.35 h1
Mechanical 1:
  the board outline again, w0.254
Drill Drawing:
  circle w0.254: c2.163,89.62 r0.701
  lines w0.254: 1.462,92.074 1.462,92.425 1.813,92.776 1.462,93.126 1.462,93.477 1.813,93.477 2.163,93.126 2.514,93.477 2.865,93.477 2.865,93.126 2.514,92.776 2.865,92.425 2.865,92.074 2.514,92.074 2.163,92.425 1.813,92.074 1.462,92.074 ; 1.462,95.23 2.865,95.23 2.865,96.633 1.462,96.633 1.462,95.23 ; 1.462,98.737 1.813,98.737 1.813,98.386 2.514,98.386 2.514,98.737 2.865,98.737 2.865,99.438 2.514,99.438 2.514,99.789 1.813,99.789 1.813,99.438 1.462,99.438 1.462,98.737 ; 1.462,101.893 1.813,101.893 2.163,101.542 2.514,101.893 2.865,101.893 2.514,102.243 2.865,102.594 2.514,102.594 2.163,102.945 1.813,102.594 1.462,102.594 1.813,102.243 1.462,101.893 ; 1.462,104.698 2.163,105.049 2.865,104.698 2.514,105.399 2.865,106.101 2.163,105.75 1.462,106.101 1.813,105.399 1.462,104.698 ; 1.462,108.555 2.163,107.854 2.865,108.555 2.163,109.257 1.462,108.555 ; 1.462,112.413 2.865,112.413 2.163,111.01 1.462,112.413
  lines w0.381: 0.191,87.971 132.093,87.971 ; 0.191,113.219 132.093,113.219 ; 8.299,84.815 8.299,116.375 ; 15.632,84.815 15.632,116.375 ; 30.322,84.815 30.322,116.375 ; 36.608,84.815 36.608,116.375 ; 45.761,84.815 45.761,116.375 ; 63.101,84.815 63.101,116.375 ; 70.601,84.815 70.601,116.375 ; 80.398,84.815 80.398,116.375 ; 91.118,84.815 91.118,116.375 ; 100.957,84.815 100.957,116.375 ; 116.257,84.815 116.257,116.375 ; 0.191,84.815 132.093,84.815 132.093,116.375 0.191,116.375 0.191,84.815
  text "Symbol" at 2.084,114.166 h1.83
  text "Count" at 9.245,114.166 h1.83
  text "Hole Size" at 16.578,114.166 h1.83
  text "Plated" at 31.268,114.166 h1.83
  text "Hole Type" at 37.555,114.166 h1.83
  text "Drill Layer Pair" at 46.708,114.166 h1.83
  text "Via/Pad" at 64.048,114.166 h1.83
  text "Pad Shape" at 71.548,114.166 h1.83
  text "Template" at 81.345,114.166 h1.83
  text "Description" at 92.065,114.166 h1.83
  text "Hole Tolerance (+)" at 101.904,114.166 h1.83
  text "Hole Tolerance (-)" at 117.204,114.166 h1.83
  text "2" at 9.245,111.01 h1.52
  text "1.300mm (51.18mil)" at 16.578,111.01 h1.52
  text "PTH" at 31.268,111.01 h1.52
  text "Round" at 37.555,111.01 h1.52
  text "Top Layer - Bottom Layer" at 46.708,111.01 h1.52
  text "Pad" at 64.048,111.01 h1.52
  text "Rounded" at 71.548,111.01 h1.52
  text "(Mixed)" at 81.345,111.01 h1.52
  text "2" at 9.245,107.854 h1.52
  text "2.050mm (80.71mil)" at 16.578,107.854 h1.52
  text "PTH" at 31.268,107.854 h1.52
  text "Round" at 37.555,107.854 h1.52
  text "Top Layer - Bottom Layer" at 46.708,107.854 h1.52
  text "Pad" at 64.048,107.854 h1.52
  text "Rounded" at 71.548,107.854 h1.52
  text "c308h205" at 81.345,107.854 h1.52
  text "2" at 9.245,104.698 h1.52
  text "2.350mm (92.52mil)" at 16.578,104.698 h1.52
  text "PTH" at 31.268,104.698 h1.52
  text "Round" at 37.555,104.698 h1.52
  text "Top Layer - Bottom Layer" at 46.708,104.698 h1.52
  text "Pad" at 64.048,104.698 h1.52
  text "Rounded" at 71.548,104.698 h1.52
  text "c300h235" at 81.345,104.698 h1.52
  text "4" at 9.245,101.542 h1.52
  text "2.800mm (110.24mil)" at 16.578,101.542 h1.52
  text "PTH" at 31.268,101.542 h1.52
  text "Round" at 37.555,101.542 h1.52
  text "Top Layer - Bottom Layer" at 46.708,101.542 h1.52
  text "Pad" at 64.048,101.542 h1.52
  text "Rounded" at 71.548,101.542 h1.52
  text "(Mixed)" at 81.345,101.542 h1.52
  text "5" at 9.245,98.386 h1.52
  text "1.200mm (47.24mil)" at 16.578,98.386 h1.52
  text "PTH" at 31.268,98.386 h1.52
  text "Round" at 37.555,98.386 h1.52
  text "Top Layer - Bottom Layer" at 46.708,98.386 h1.52
  text "Pad" at 64.048,98.386 h1.52
  text "Rounded" at 71.548,98.386 h1.52
  text "c170h120x200" at 81.345,98.386 h1.52
  text "7" at 9.245,95.23 h1.52
  text "0.900mm (35.43mil)" at 16.578,95.23 h1.52
  text "PTH" at 31.268,95.23 h1.52
  text "Round" at 37.555,95.23 h1.52
  text "Top Layer - Bottom Layer" at 46.708,95.23 h1.52
  text "Pad" at 64.048,95.23 h1.52
  text "(Mixed)" at 71.548,95.23 h1.52
  text "(Mixed)" at 81.345,95.23 h1.52
  text "8" at 9.245,92.074 h1.52
  text "1.000mm (39.37mil)" at 16.578,92.074 h1.52
  text "PTH" at 31.268,92.074 h1.52
  text "Round" at 37.555,92.074 h1.52
  text "Top Layer - Bottom Layer" at 46.708,92.074 h1.52
  text "Pad" at 64.048,92.074 h1.52
  text "Rounded" at 71.548,92.074 h1.52
  text "(Mixed)" at 81.345,92.074 h1.52
  text "128" at 9.245,88.918 h1.52
  text "0.250mm (9.84mil)" at 16.578,88.918 h1.52
  text "PTH" at 31.268,88.918 h1.52
  text "Round" at 37.555,88.918 h1.52
  text "Top Layer - Bottom Layer" at 46.708,88.918 h1.52
  text "Via" at 64.048,88.918 h1.52
  text "Rounded" at 71.548,88.918 h1.52
  text "v55h25" at 81.345,88.918 h1.52
  text "158 Total" at 9.245,85.762 h1.52
  text "FABRICATION NOTES" at 137.609,75.697 h3
  text "1. QUANTITY: 15" at 137.609,70.601 h3
  text "2. SIZE:  28mm x 76mm" at 137.609,65.504 h3
  text "3. LAYERS: 4" at 137.609,60.408 h3
  text "4. COPPER WEIGHT: Outer Layers: 2oz, Internal Layers: 1oz" at 137.682,55.522 h3
  text "5. SOLDER MASK: White" at 137.907,50.662 h3
  text "6. SILKSCREEN: Black" at 137.907,45.565 h3
  text "7. SURFACE FINISH: ENIG" at 137.907,40.469 h3
  text "8. TOTAL THICKNESS: 1.6mm" at 137.397,35.511 h3
  text "9. VIAS: TENTED" at 137.697,30.586 h3

## Dimensions
25.375,39.575 to 25.375,68.025 on Drill Drawing
25.375,68.025 to 101.9,68.025 on Drill Drawing